# Altium PCB SmartSocket_v3.PcbDoc
Units mm, origin at the board's own origin, x right, y up, seen from the top; angles counter-clockwise.
Board outline 42.6 x 36.47 mm, 2 copper layers (Top Layer, Bottom Layer); 56 components, 56 nets, 214 pads, 89 vias.
Unrouted connection lines stored in the file: 23.
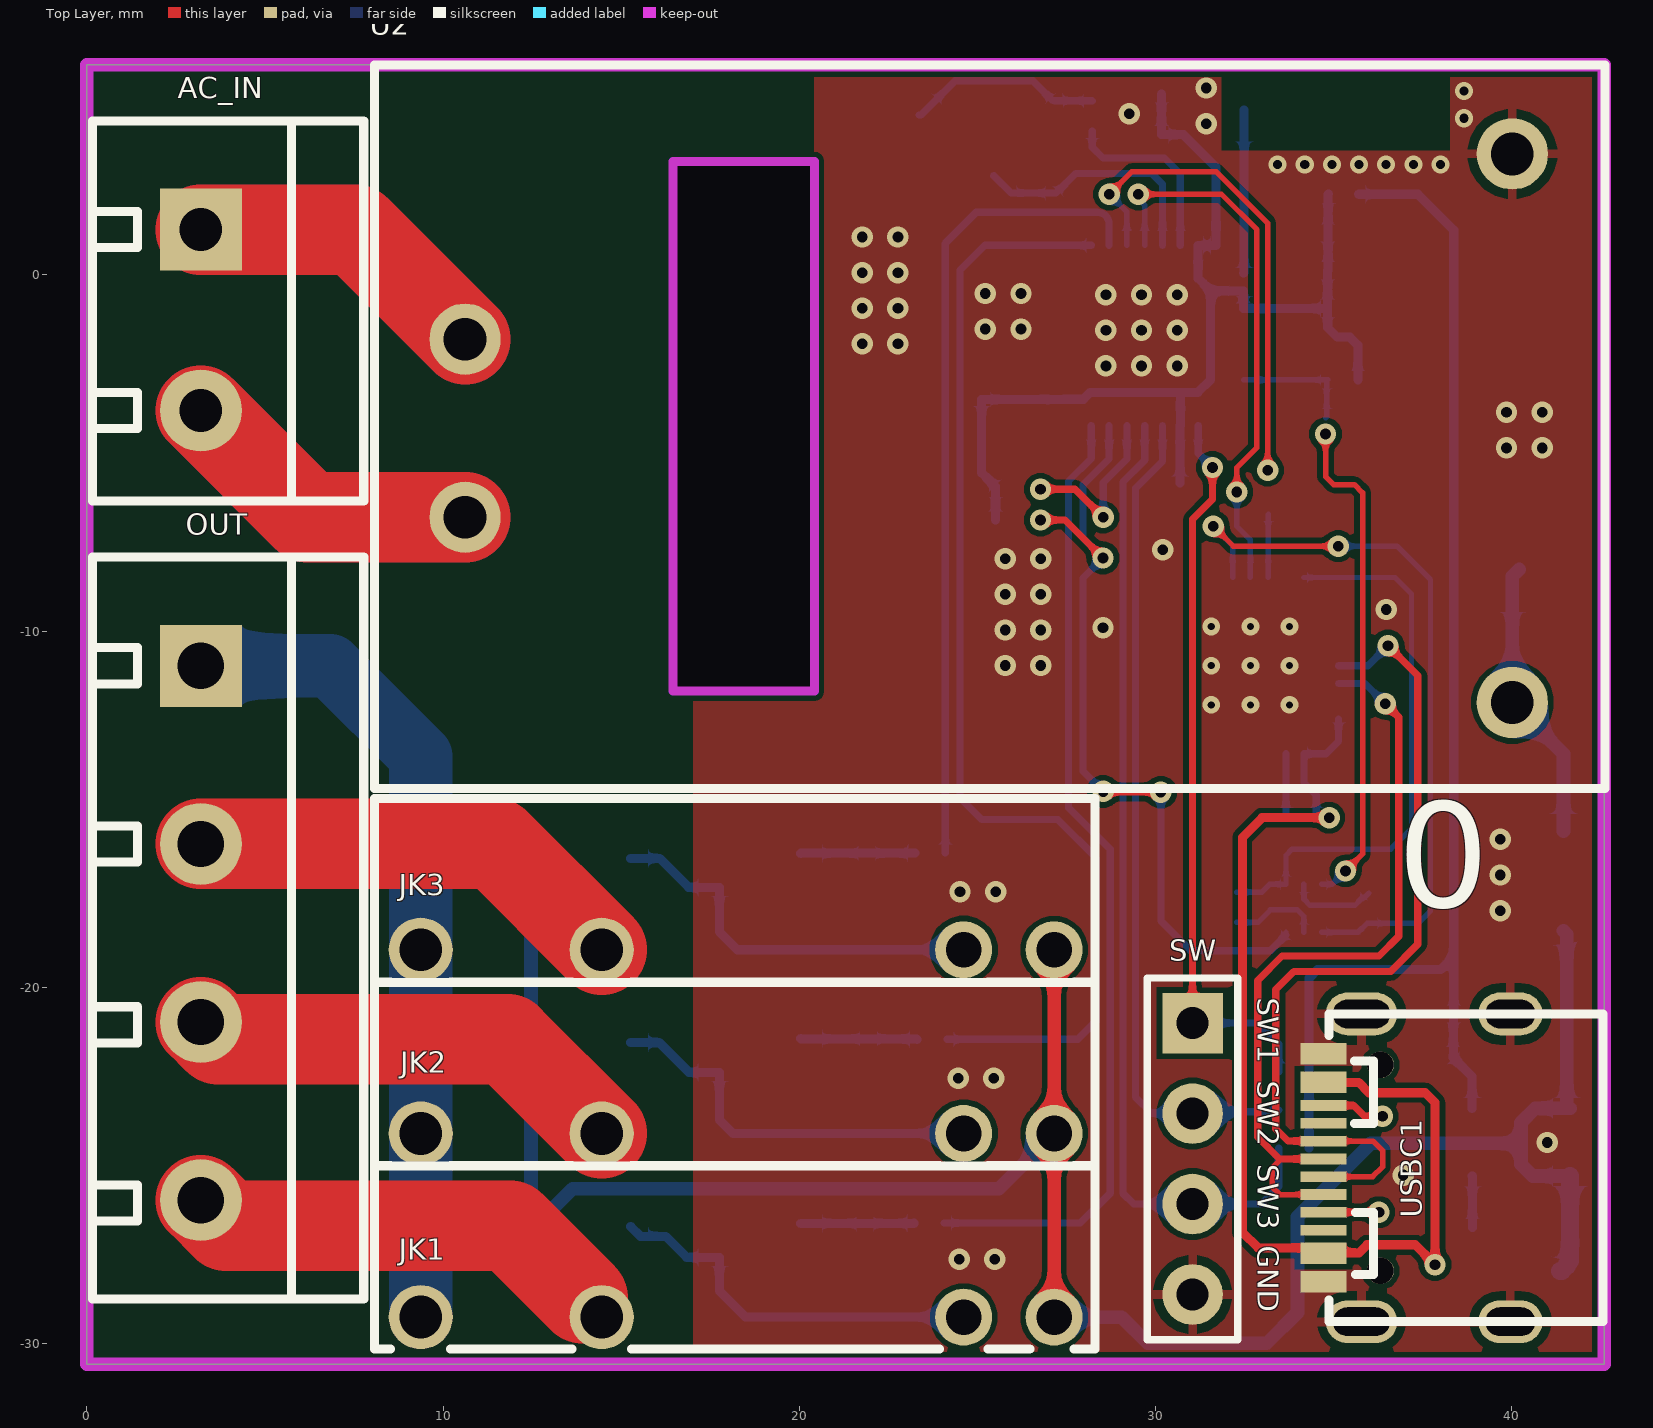
[diagram p0: Top Layer view]
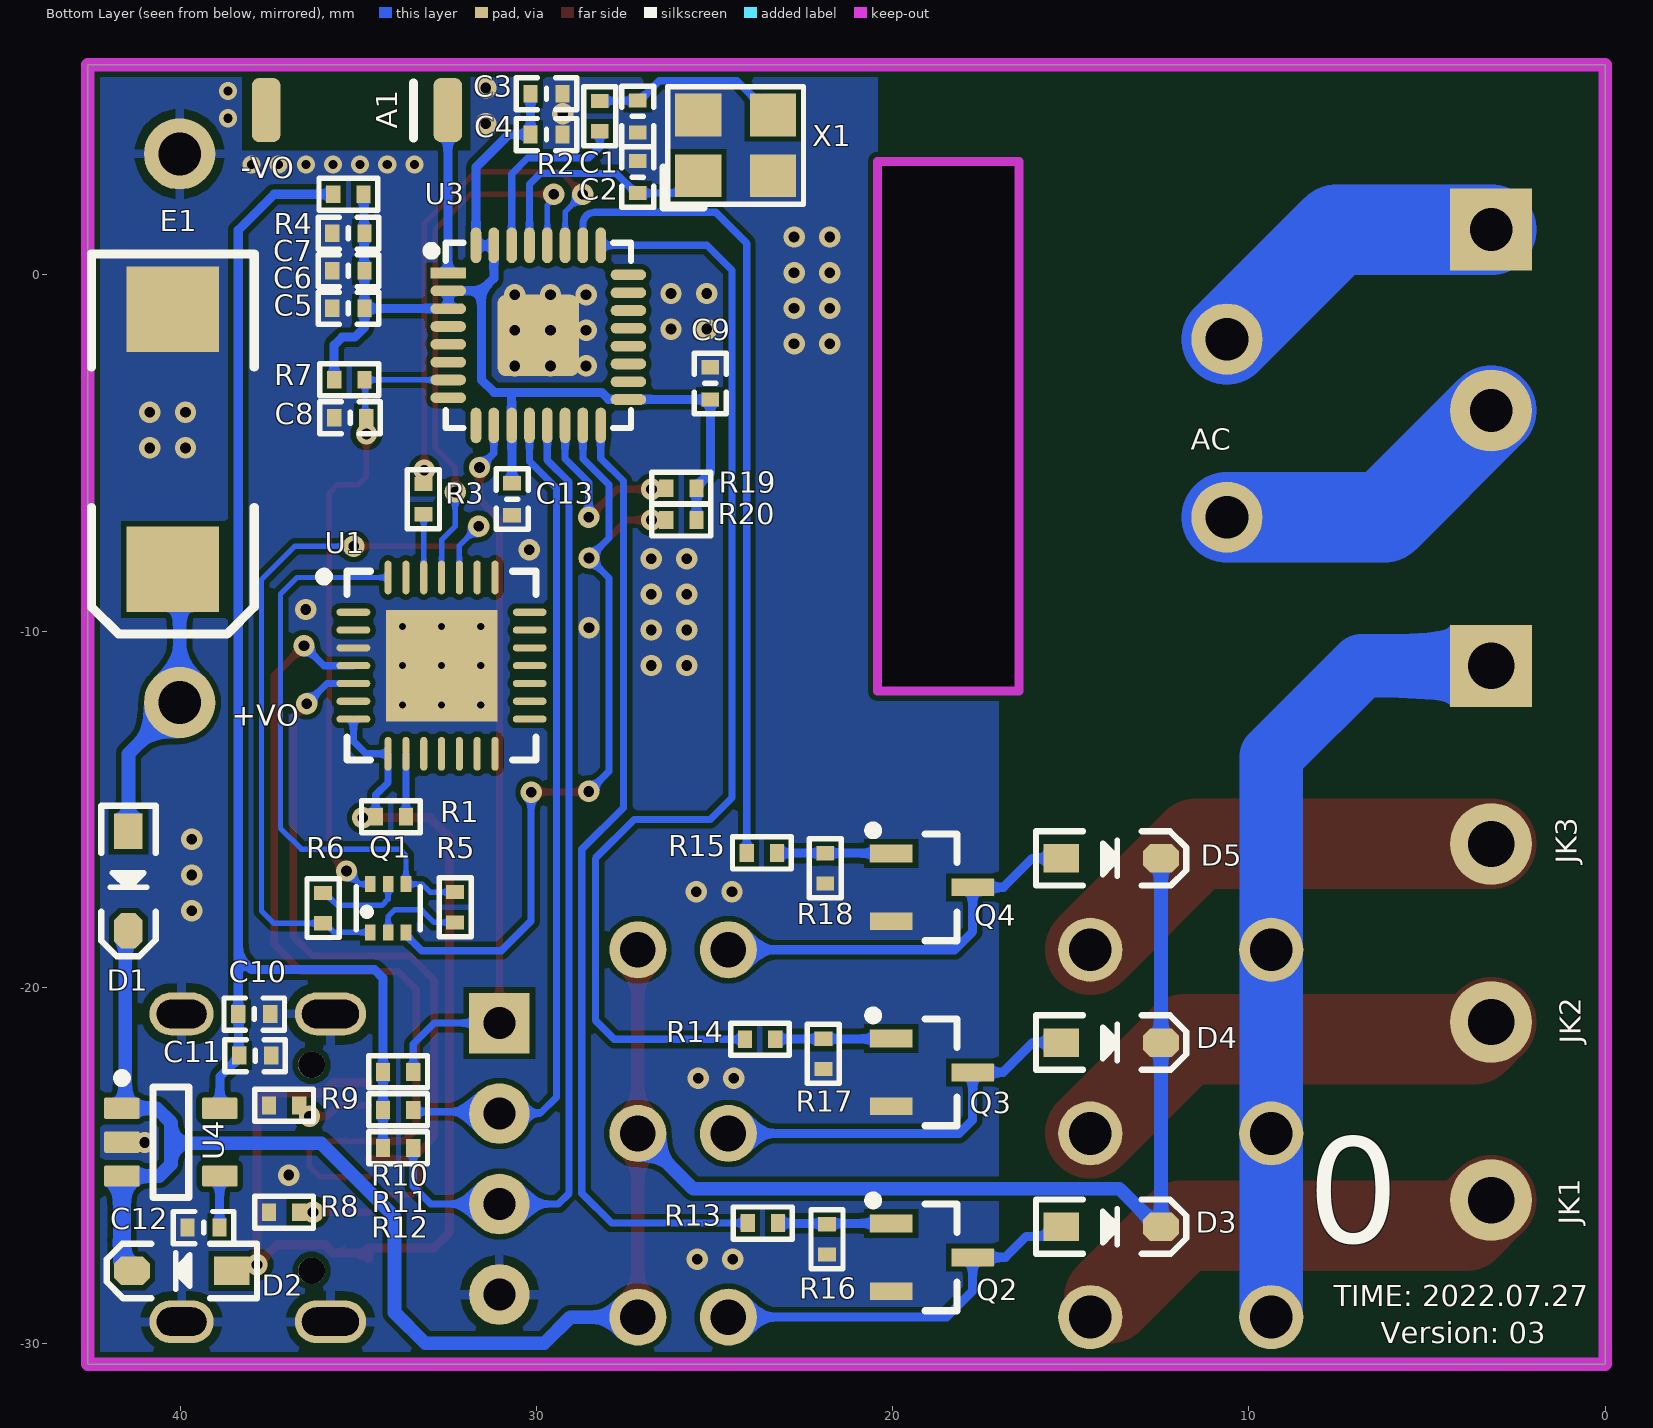
[diagram p1: Bottom Layer view, seen from below]

## Layer stack, top to bottom
Top Solder: solder mask 0.0102, Solder Resist, Dk 3.5
Top Layer: signal copper 0.0356
Dielectric 1: dielectric 0.32, FR-4, Dk 4.8
Bottom Layer: signal copper 0.0356
Bottom Solder: solder mask 0.0102, Solder Resist, Dk 3.5

## Board outline
0,-30.582 42.596,-30.582 42.596,5.893 0,5.893
cut-out: 20.422,3.175 16.459,3.175 16.459,-11.684 20.422,-11.684

## Design rules (kind name [scope] priority, off if disabled: settings)
Clearance [All] p1: gap=0.152 ignorepadtopadclearanceinfootprint=FALSE
ComponentClearance [All] p1: gap=0 collisioncheckmode=3 verticalgap=0 showdistances=FALSE
HoleSize [All] p1: absolutevalues=TRUE maxlimit=100 minlimit=0.2 maxpercent=80.000 minpercent=20.000
HoleToHoleClearance [All] p1: gap=0 allowstackedmicrovias=TRUE
MinimumSolderMaskSliver [All] p1: minsoldermaskwidth=0
PolygonConnect [All] p1: thpad.connectstyle=Relief thpad.reliefconductorwidth=0.254 thpad.reliefentries=4 thpad.polygonreliefangle="90 Angle" thpad.airgapwidth=0.254 smdpad.connectstyle=Direct smdpad.reliefconductorwidth=0.254 smdpad.reliefentries=4 smdpad.polygonreliefangle="90 Angle" smdpad.airgapwidth=0.254 via.connectstyle=Direct via.reliefconductorwidth=0.254 via.reliefentries=4 via.polygonreliefangle="90 Angle" via.airgapwidth=0.254
RoutingVias [All] p1: holewidth=0.3 width=0.6 viastyle="Through Hole" minholewidth=0.2 minwidth=0.4 maxholewidth=80 maxwidth=100
SilkToSilkClearance [All] p1: silktosilkclearance=0
SilkToSolderMaskClearance [IsPad] p1: minsilkscreentomaskgap=0 clearancetoexposedcopper=TRUE
SolderMaskExpansion [All] p1: expansion=0.102 istentingtop=FALSE
Width [All] p1: maxlimit=2.54 minlimit=0.152 preferedwidth=0.203
24 further rules are at their usual default settings.

## Components (designator, comment, footprint, x,y, rotation, side; value= is the part's Value field where it differs from the comment)
A1 "AN2051-245" AN2051-245 35.027,4.623 r0 bottom
AC_IN "HDR-1X2" KF301-5.0-2P 3.2,-3.81 r270 top
C1 "15pF" "C 0402_L" 27.156,4.445 r270 bottom
C2 "15pF" "C 0402_L" 27.156,2.743 r90 bottom
C3 "1uF" "C 0402_L" 29.718,5.08 r0 bottom
C4 "10nF" "C 0402_L" 29.718,3.937 r0 bottom
C5 "10uF" "C 0402_L" 35.281,-0.94 r180 bottom
C6 "1uF" "C 0402_L" 35.281,0.114 r180 bottom
C7 "0.1uF" "C 0402_L" 35.281,1.168 r180 bottom
C8 "1uF" "C 0402_L" 35.23,-4.013 r180 bottom
C9 "0.1uF" "C 0402_L" 25.121,-3.048 r270 bottom
C10 "0.1uF" "C 0402_L" 37.922,-20.752 r180 bottom
C11 "10uF" "C 0402_L" 37.897,-21.92 r180 bottom
C12 "10nF" "C 0402_L" 39.345,-26.746 r0 bottom
C13 "0.1uF" "C 0402_L" 30.683,-6.299 r90 bottom
D1 "B5819WS" SOD-323 41.453,-17.018 r270 bottom
D2 "B5819WS" SOD-323 39.954,-27.965 r0 bottom
D3 "B5819WS" SOD-323 13.868,-26.721 r180 bottom
D4 "B5819WS" SOD-323 13.868,-21.552 r180 bottom
D5 "B5819WS" SOD-323 13.868,-16.383 r180 bottom
E1 "220uF" "CD D(7343)" 40.208,-4.623 r90 bottom
JK1 "HF49FD/005-1H11" HF49-XX-1H11 9.373,-29.261 r180 top locked
JK2 "HF49FD/005-1H11" HF49-XX-1H11 9.373,-24.105 r180 top locked
JK3 "HF49FD/005-1H11" HF49-XX-1H11 9.373,-18.948 r180 top locked
OUT "HDR-1X4" KF301-5.0-4P 3.2,-18.477 r270 top
Q1 "BC847BVC-7" SOT563-6 34.163,-17.783 r180 bottom
Q2 "S8050" SOT23-3N 18.898,-27.584 r270 bottom
Q3 "S8050" SOT23-3N 18.898,-22.39 r270 bottom
Q4 "S8050" SOT23-3N 18.898,-17.196 r270 bottom
R1 "10K" "R 0402_L" 34.112,-15.215 r180 bottom
R2 "0R" "R 0402_L" 28.223,4.427 r90 bottom
R3 "200R" "R 0402_L" 33.172,-6.325 r90 bottom
R4 "0R" "R 0402_L" 35.255,2.261 r0 bottom
R5 "12K" "R 0402_L" 32.283,-17.78 r90 bottom
R6 "12K" "R 0402_L" 35.992,-17.755 r270 bottom
R7 "10K" "R 0402_L" 35.23,-2.946 r0 bottom
R8 "5.1K" "R 0402_L" 37.109,-26.314 r180 bottom
R9 "5.1K" "R 0402_L" 37.109,-23.317 r180 bottom
R10 "10K" "R 0402_L" 33.858,-22.377 r0 bottom
R11 "10K" "R 0402_L" 33.858,-23.444 r0 bottom
R12 "10K" "R 0402_L" 33.858,-24.511 r0 bottom
R13 "3k" "R 0402_L" 23.622,-26.619 r0 bottom
R14 "3k" "R 0402_L" 23.698,-21.463 r0 bottom
R15 "3k" "R 0402_L" 23.647,-16.231 r0 bottom
R16 "3k" "R 0402_L" 21.844,-27.102 r90 bottom
R17 "3k" "R 0402_L" 21.946,-21.895 r90 bottom
R18 "3k" "R 0402_L" 21.895,-16.688 r90 bottom
R19 "10K" "R 0402_L" 25.908,-5.994 r0 bottom
R20 "10K" "R 0402_L" 25.908,-6.883 r0 bottom
SW "HDR-1X4" HDR2.54-LI-4P 31.039,-24.816 r270 top
U1 "CP2102-GMR" SLAB-QFN-28-3125x3125TP_M 32.664,-10.973 r180 bottom
U2 "HLK-PM01" HLK-PM01 25.317,-4.307 r0 top locked
U3 "ESP32-C3" "QFN32 5X5_M" 29.947,-1.702 r270 bottom
U4 "LP2992IM5-3.3/NOPB" DBV0005A_N 40.262,-24.348 r180 bottom
USBC1 "USB-TypeC-16p" TYPE-C-USB-16P-1 37.338,-25.07 r90 top locked
X1 "40MHZ" "OSC 3225-4P" 24.409,3.632 r180 bottom

## Footprints (in the part's own frame and the unit in brackets; to place one, negate y for a bottom-side part, rotate by r counter-clockwise, add the part's x,y. Pads: shape width x height; smd on the part's side, far side on the other; paste and mask are expansions set on the pad)
AN2051-245 [mm] "天线  5.1mm(L)×2.0mm(W)×1.2mm(H)"
  rrect50% 0.8x1.8 smd: 1(-2.54,0) ""(2.563,0)
  silkscreen extent -1.57,-0.76 -1.57,0.79, body extent -2.57,-0.91 2.54,0.94, height 1.32
"C 0402_L" [mm] "无极性贴片电容"
  rect 0.4x0.5 smd: 1(-0.45,0) 2(0.45,0)
  silkscreen extent -0.85,-0.45 0.85,0.45, body extent -0.5,-0.26 0.5,0.26, height 0.53
"CD D(7343)" [mm] "长7.3mm，宽4.3mm，厚2.8mm"
  rect 2.4x2.6 smd: 1(-3.65,0) 2(3.65,0)
  silkscreen extent -5.46,-2.29 5.21,2.29, body extent -3.65,-2.15 3.65,2.15, height 2.8
DBV0005A_N [mm] "SOT23, 5-Leads, Body 3.05x1.75mm, Pitch 0.95mm, IPC Medium Density"
  rrect17% 1x0.6 smd: 1(-1.375,0.95) 2(-1.375,0) 3(-1.375,-0.95) 4(1.375,-0.95) 5(1.375,0.95)
  silkscreen extent -1.5,-1.55 0.5,1.92, body extent -1.42,-1.46 1.42,1.46, height 1.08
HDR2.54-LI-4P [mm] "排针，4脚"
  rect 1.7x1.7 hole 0.9: 1(-3.81,0)
  round 1.7 hole 0.9: 2(-1.27,0) 3(1.27,0) 4(3.81,0)
  silkscreen extent -5.08,-1.27 5.08,1.27, body extent -5.08,-1.27 5.08,1.27, height 8.5
HF49-XX-1H11 [mm] "一组常开，长：20mm，宽：5mm，高：12.5mm"
  round 1.6 hole 1: 1(-17.78,0) 2(-15.24,0)
  round 1.8 hole 1.2: 3(-5.08,0) 4(0,0)
  silkscreen extent -18.92,-4.24 1.3,0.9, body extent -18.81,-4.16 1.19,0.84, height 12.83
HLK-PM01 [mm] "AC220V转DC5V模块 34*20*15"
  round 2 hole 1.2: 1(-14.7,2.5) 2(-14.7,-2.5) 3(14.7,7.7) 4(14.7,-7.7)
  silkscreen extent -17.24,-10.12 17.3,10.2, body extent -16.98,-10.07 17.02,10.13, height 15.1
KF301-5.0-2P [mm] "可拼接端子/6A"
  rect 2.3x2.3 hole 1.2: 1(-5.08,0)
  round 2.3 hole 1.2: 2(0,0)
  silkscreen extent -8.13,-3.05 2.54,4.57, body extent -7.95,-3 2.55,4.6, height 10.05
KF301-5.0-4P [mm] "可拼接端子/6A"
  rect 2.3x2.3 hole 1.3: 1(-7.5,0)
  round 2.3 hole 1.3: 2(-2.5,0) 3(2.5,0) 4(7.5,0)
  silkscreen extent -10.55,-3.05 10.28,4.57, body extent -10.37,-3 10.13,4.6, height 10.05
"OSC 3225-4P" [mm] "3.2*2.5*0.7mm(长宽高)"
  rect 1.3x1.2 smd: 1(-1.05,-0.85) 2(1.05,-0.85) 3(1.05,0.85) 4(-1.05,0.85)
  silkscreen extent -2.03,-1.75 1.91,1.65, body extent -1.6,-1.25 1.6,1.25, height 0.7
"QFN32 5X5_M" [mm] "32脚，长x宽x高：5x5x0.95mm，脚距：0.5mm"
  rect 0.3x1 smd: 1(-1.751,-2.528)
  oval 0.3x1 smd: 2(-1.25,-2.528) 3(-0.75,-2.528) 4(-0.25,-2.528) 5(0.25,-2.528) 6(0.75,-2.528) 7(1.25,-2.528) 8(1.75,-2.528) 17(1.8,2.528) 18(1.3,2.528) 19(0.8,2.528) 20(0.3,2.528) 21(-0.2,2.528) 22(-0.7,2.528) 23(-1.2,2.528) 24(-1.7,2.528)
  oval 1x0.3 smd: 9(2.528,-1.75) 10(2.528,-1.25) 11(2.528,-0.75) 12(2.528,-0.25) 13(2.528,0.25) 14(2.528,0.75) 15(2.528,1.25) 16(2.528,1.75) 25(-2.528,1.75) 26(-2.528,1.25) 27(-2.528,0.75) 28(-2.528,0.25) 29(-2.528,-0.25) 30(-2.528,-0.75) 31(-2.528,-1.25) 32(-2.528,-1.75)
  rrect20% 2.286x2.286 smd: 33(0,0)
  silkscreen extent -2.6,-3.13 2.6,2.6, body extent -2.5,-2.5 2.5,2.5, height 0.93
"R 0402_L" [mm] "1/16W贴片电阻"
  rect 0.4x0.5 smd: 1(-0.4,0) 2(0.45,0)
  silkscreen extent -0.8,-0.45 0.85,0.45, body extent -0.5,-0.25 0.5,0.25, height 0.3
SLAB-QFN-28-3125x3125TP_M [mm] "QFN, 28-Leads, Body 5x5mm, Pitch 0.5mm, Thermal Pad 3.13x3.13mm, IPC Low Density"
  oval 0.95x0.2 smd: 1(-2.475,1.5) 2(-2.475,1) 3(-2.475,0.5) 4(-2.475,0) 5(-2.475,-0.5) 6(-2.475,-1) 7(-2.475,-1.5) 15(2.475,-1.5) 16(2.475,-1) 17(2.475,-0.5) 18(2.475,0) 19(2.475,0.5) 20(2.475,1) 21(2.475,1.5)
  oval 0.2x0.95 smd: 8(-1.5,-2.475) 9(-1,-2.475) 10(-0.5,-2.475) 11(0,-2.475) 12(0.5,-2.475) 13(1,-2.475) 14(1.5,-2.475) 22(1.5,2.475) 23(1,2.475) 24(0.5,2.475) 25(0,2.475) 26(-0.5,2.475) 27(-1,2.475) 28(-1.5,2.475)
  rect 3.13x3.13 smd: 29(0,0)
  silkscreen extent -3.42,-2.65 2.65,2.65, body extent -2.5,-2.5 2.5,2.5, height 1
SOD-323 [mm] "1.8x1.3X0.9mm（长宽高，不包括引脚）"
  rect 1x0.8 smd: 1(-1.4,0)
  oct 1x0.8 smd: 2(1.4,0)
  silkscreen extent -2.11,-0.76 2.11,0.76, body extent -1.34,-0.63 1.31,0.67, height 1
SOT23-3N [mm] "3x1.3x1mm(长宽高)"
  rect 0.5x1.2 smd: 1(-0.95,-1.143) 2(0.95,-1.143) 3(0,1.143)
  silkscreen extent -1.72,-1.78 1.5,0.7, body extent -1.5,-1.2 1.5,1.2, height 1.05
SOT563-6 [mm]
  rect 0.3x0.45 smd: 1(-0.5,-0.675) 2(0,-0.675) 3(0.5,-0.675) 4(0.5,0.675) 5(0,0.675) 6(-0.5,0.675)
  silkscreen extent -0.9,-0.6 0.9,0.6, body extent -0.8,-0.8 0.8,0.83, height 0.58
TYPE-C-USB-16P-1 [mm]
  oval 1.2x1.8 hole 0.8 slot 1.4 at 90 deg: 0(-4.32,-2.624) 0(4.32,-2.624)
  oval 1.2x2 hole 0.8 slot 1.6 at 90 deg: 0(-4.32,1.556) 0(4.32,1.556)
  rect 0.3x1.3 smd: A1(-3.35,2.623) A4(-2.55,2.623) A5(-1.25,2.623) A6(-0.25,2.623) A7(0.25,2.623) A8(-1.75,2.624) A9(2.55,2.623) A12(3.35,2.623) B1(3.05,2.623) B4(2.25,2.623) B5(1.75,2.623) B6(0.75,2.623) B7(-0.75,2.623) B8(1.25,2.624) B9(-2.25,2.623) B12(-3.05,2.623)
  round 0.75 hole 0.75 unplated: ""(-2.89,1.026) ""(2.89,1.026)
  silkscreen extent -4.32,-5.23 4.32,2.47, body extent -4.45,-5.2 4.5,2.55, height 3.26

## Part data
A1: library part ANT-Rainsun-AP2051, "天线AN2051-245"
AC_IN: library part "Header 02 5.0", "2P接插件", BOM名称=2P接插件, 学习资源=www.ooocke.com, 版权归属=源创客
C1 C2 C3 C4 C5 C6 C7 C8 C9 C10 C11 C12 C13: library part C, "无极性贴片电容", BOM名称=无极性贴片电容, 学习资源=www.ooocke.com, 版权归属=源创客
D1 D2 D3 D4 D5: library part 1N5819, "肖特基二极管", BOM名称=肖特基二极管, 学习资源=www.ooocke.com, 属性=40V/2A, 版权归属=源创客
E1: library part C-CD, "贴片钽电容", BOM名称=贴片钽电容, 学习资源=www.ooocke.com, 版权归属=源创客
JK1 JK2 JK3: "5V一组常开"
OUT: library part "Header 04 5.0", "4P接插件", BOM名称=4P接插件, 学习资源=www.ooocke.com, 版权归属=源创客
Q2 Q3 Q4: library part 8050-SMD, "高频放大-NPN型", BOM名称=高频放大-NPN型, 学习资源=www.ooocke.com, 属性="40V 1.5A 1W 100MHZ", 版权归属=源创客
R1 R2 R3 R4 R5 R6 R7 R8 R9 R10 R11 R12 R13 R14 R15 R16 R17 R18 R19 R20: library part R, "贴片电阻", BOM名称=贴片电阻, 学习资源=www.ooocke.com, 版权归属=源创客
SW: library part "Header 04 2.54", "4P接插件", BOM名称=4P接插件, 学习资源=www.ooocke.com, 版权归属=源创客
U1: library part CMP-2000-04924-1, "Single-Chip USB to URAT Bridge, 3.3 V, -40 to 85 degC, 28-Pin QFN, RoHS, Tape and Reel", Manufacturer="Silicon Labs", Operating Supply Voltage (Max)=3.6V, Operating Supply Voltage (Min)=3V, Operating Supply Voltage (Typ)=3.3V, Operating Temperature (Max)=85C, Operating Temperature (Min)=-40C, Operating Temperature Classification=Industrial, Package Description="28-Pin Quad-Flat No-Leads Package, Body 5 x 5 mm, Pitch 0.5 mm", Package Reference=QFN-28, Package Type=QFNEP, Supply Current=26mA, Data Rate=1000kbps, Datasheet URL=http://www.mouser.com/ds/2/368/CP2102-9-247052.pdf, Datasheet Version="Rev. 1.6, 12/2013", Interface Circuit Standard 1=RS-232, Manufacturer URL=http://www.silabs.com/, Mounting=SurfaceMount, Number of Channels=1, Package URL=http://www.silabs.com/Support%20Documents/TechnicalDocs/C8051T61x.pdf, Packaging=TapeandReel, Pin Count=28, Rad Hardened=No, Transmitter and Receiver FIFO Counter=No
U2: library part Component_1, "220V转5V模块"
U3: "Bluetooth, WiFi 802.11b/g/n, Bluetooth v5.0 Transceiver Module 2.402GHz ~ 2.48GHz Antenna Not Included Surface Mount", Package="VFQFN-32 Espressif Systems", Availability="In Stock", Check_prices=https://www.snapeda.com/parts/ESP32-C3FH4/Espressif%20Systems/view-part/5881917/?ref=eda, MF="Espressif Systems", MP=ESP32-C3FH4, Price=None, Purchase-URL=https://pricing.snapeda.com/search/part/ESP32-C3FH4/?ref=eda, SnapEDA_Link=https://www.snapeda.com/parts/ESP32-C3FH4/Espressif%20Systems/view-part/5881917/?ref=snap
U4: library part CMP-0062-02175-3, "Micropower 250 mA Low-Noise Ultra Low-Dropout Regulator, 5-pin SOT-23, Pb-Free", Manufacturer="Texas Instruments", PackageTopMarking=LFEB*XTT, PowerWise=N, ComponentLink1Description="Datasheet URL", ComponentLink1URL=http://www.ti.com/general/docs/lit/getliterature.tsp?genericPartNumber=LP2992&fileType=pdf, CompType="LDO IC", PackageDescription="Molded SOT-23, .115 x .063 x .040 in Body, 5 Lead, .0375 in Pitch", PackageReference=DBV0005A, PinCount=5, RoHS=Y
X1: library part XTAL-4P, "4脚无源晶振", BOM名称=4脚无源晶振, 学习资源=www.ooocke.com, 版权归属=源创客

## Via types
v1: diameter 0.6, hole 0.3, Top Layer to Bottom Layer, tented both sides, 71 vias
v2: diameter 0.508, hole 0.254, Top Layer to Bottom Layer, tented both sides, 9 vias
v3: diameter 0.5, hole 0.2, Top Layer to Bottom Layer, tented both sides, 9 vias

## Nets (pads, with @x,y where several pads share a name; then routed paths per layer and width w, separated by ;. In a path a pad name is that pad's centre, name@x,y a point inside that pad or via, vN(x,y) a via of type N, cw(c..) or ccw(c..) an arc to the next point about the centre after c; other vN are vias at no path point)
3V3A: C3.2 C4.2 C5.2 C6.2 C7.2 C9.2 C13.2 R4.1 R7.2 R19.1 R20.1 U3.2 U3.3 U3.11 U3.17 U3.31 U3.32 | length 32
  Bottom Layer w0.254: R20.1 R19.1 25.508,-5.944 25.121,-5.557 C9.2 25.123,-3.5 27.416,-3.5 U3.17 27.427,-3.493 27.975,-3.493 28.167,-3.302 30.697,-3.302 U3.11 30.69,-4.237 30.69,-5.842 C13.2 ; C3.2 C4.2 30.785,3.937 31.697,3.025 U3.32 U3.31 31.197,-0.102 31.547,-0.451 ; 30.734,-3.302 31.191,-3.302 31.547,-2.946 31.547,-0.451 ; R4.1 34.843,2.248 34.843,0.126 C6.2 C5.2 ; R7.2 35.68,-1.974 35.458,-1.753 35.103,-1.753 34.831,-1.48 C5.2 ; 31.547,-0.451 U3.2 U3.3 32.481,-0.946 34.825,-0.946 C5.2
+5V: D1.2 D2.2 D3.2 D4.2 D5.2 JK1.1 JK2.1 JK3.1 U4.1 U4.3 | length 65.8
  Top Layer w0.381: JK1.1 JK2.1 JK3.1
  Bottom Layer w0.381: D5.2 D4.2 D3.2 12.568,-26.721 13.635,-25.654 25.603,-25.654 JK2.1 ; JK1.1 29.045,-29.261 29.781,-29.997 33.122,-29.997 33.985,-29.134 33.985,-26.441 36.043,-24.384 40.259,-24.384 ; D1.2 41.545,-18.51 41.545,-23.306 U4.1 40.66,-23.398 40.259,-23.8 40.259,-24.384 ; U4.3 40.589,-25.298 40.259,-24.968 40.259,-24.384
  Bottom Layer w0.508: D2.2 41.403,-27.965 41.549,-27.819 41.549,-27.771 41.637,-27.682 U4.3
AC_L: JK1.4 JK2.4 JK3.4 OUT.1 | length 23
  Bottom Layer w1.778: OUT.1 6.836,-10.977 9.373,-13.513 JK3.4 JK2.4 JK1.4
CHIP_EN: C8.2 Q1.6 R7.1 U3.7 | length 17.5
  Top Layer w0.152: v1(34.773,-4.47) 34.773,-5.664 35.001,-5.893 35.585,-5.893 35.814,-6.121 35.814,-16.256 v1(35.331,-16.739)
  Bottom Layer w0.152: U3.7@32.475,-2.952 R7.1@34.824,-2.952 ; Q1.6 34.962,-17.108 v1(35.331,-16.739) ; C8.2 34.805,-3.988 34.805,-2.971 R7.1
CP_Rx: U1.25 U3.28 | length 15.4
  Top Layer w0.152: v1(29.515,2.261) 31.852,2.261 32.842,1.27 32.842,-4.851 32.283,-5.41 v1(32.283,-6.096)
  Bottom Layer w0.152: v1(29.515,2.261) 29.515,2.139 29.697,1.958 U3.28 ; v1(32.283,-6.096) 32.283,-7.061 32.664,-7.442 U1.25
CP_Tx: R3.2 U3.27 | length 13.9
  Top Layer w0.152: v1(28.702,2.261) 29.337,2.896 31.699,2.896 33.147,1.448 v1(33.147,-5.486)
  Bottom Layer w0.152: v1(28.702,2.261) 29.196,1.766 U3.27
DTR: Q1.4 R5.2 U1.28 | length 15.9
  Bottom Layer w0.152: R5.2 32.987,-17.33 33.209,-17.108 Q1.4 33.663,-16.299 33.837,-16.125 36.601,-16.125 37.186,-15.541 37.186,-8.966 36.717,-8.498 U1.28
GND: C1.2 C2.2 C3.1 C4.1 C5.1 C6.1 C7.1 C8.1 C9.1 C10.2 C11.2 C12.2 C13.1 E1.2 Q2.2 Q3.2 Q4.2 R8.1 R9.1 R16.1 R17.1 R18.1 SW.4 U1.3 U1.29 U2.3 U3.33 U4.2 USBC1.0 USBC1.A1 USBC1.A12 USBC1.B1 USBC1.B12 X1.2 X1.4
  other v1: 24.486,-27.635 25.486,-27.635 36.957,-25.273 40.996,-24.359 24.46,-22.555 25.46,-22.555 39.675,-17.85 24.511,-17.323 25.511,-17.323 39.675,-16.85 39.675,-15.85 25.781,-10.97 26.781,-10.97 25.781,-9.97 26.781,-9.97 28.524,-9.906 36.474,-9.398 25.781,-8.97 26.781,-8.97 25.781,-7.97 26.781,-7.97 30.201,-7.722 39.853,-4.861 40.853,-4.861 39.853,-3.861 40.853,-3.861 28.607,-2.559 29.607,-2.559 30.607,-2.559 21.768,-1.94 22.768,-1.94 28.607,-1.559 29.607,-1.559 30.607,-1.559 25.222,-1.524 26.222,-1.524 21.768,-0.94 22.768,-0.94 28.607,-0.559 29.607,-0.559 30.607,-0.559 25.222,-0.524 26.222,-0.524 21.768,0.06 22.768,0.06 21.768,1.06 22.768,1.06 31.42,4.242 29.261,4.521 31.42,5.242
  other v2: 33.426,3.099 34.188,3.099 34.95,3.099 35.712,3.099 36.474,3.099 37.236,3.099 37.998,3.099 38.659,4.394 38.659,5.156
  other v3: 31.564,-12.073 32.664,-12.073 33.764,-12.073 31.564,-10.973 32.664,-10.973 33.764,-10.973 31.564,-9.873 32.664,-9.873 33.764,-9.873
GPIO0: U3.4
GPIO1: U3.5
GPIO2: U3.6
GPIO3: U3.8
GPIO4: U3.9
GPIO5: R10.1 SW.1 U3.10 | length 20.6
  Top Layer w0.203: SW.1 31.039,-6.862 31.598,-6.303 v1(31.598,-5.41)
  Bottom Layer w0.203: SW.1 32.868,-21.006 33.458,-21.596 R10.1 ; U3.10 31.197,-5.01 v1(31.598,-5.41)
GPIO6: R11.1 SW.2 U3.12 | length 23.4
  Bottom Layer w0.203: U3.12 30.197,-5.236 29.439,-5.994 29.439,-23.089 29.884,-23.534 31.027,-23.534 SW.2 31.09,-23.495 33.407,-23.495 R11.1
GPIO7: R12.1 SW.3 U3.13 | length 27.6
  Bottom Layer w0.203: U3.13 29.697,-5.203 29.083,-5.817 29.083,-25.781 29.388,-26.086 SW.3 32.969,-26.086 33.458,-25.597 R12.1
GPIO8: R19.2 U3.14 | length 4.9
  Top Layer w0.203: v1(26.772,-6.02) 27.742,-6.02 v1(28.529,-6.807)
  Bottom Layer w0.203: v1(28.529,-6.807) 28.529,-5.832 29.196,-5.165 U3.14
GPIO9: Q1.3 R20.2 U3.15 | length 22.8
  Top Layer w0.203: v1(26.772,-6.883) 27.457,-6.883 v1(28.524,-7.95) ; v1(28.529,-14.503) 28.542,-14.516 30.137,-14.516 v1(30.15,-14.529)
  Bottom Layer w0.152: Q1.3@33.663,-18.533 Q1.3
  Bottom Layer w0.203: v1(28.529,-14.503) 27.965,-13.94 27.965,-8.509 v1(28.524,-7.95) 27.965,-7.391 27.965,-5.893 28.696,-5.162 U3.15 ; v1(30.15,-14.529) 30.15,-18.136 30.988,-18.974 33.222,-18.974 Q1.3@33.663,-18.533
GPIO10: R13.2 U3.16 | length 27.3
  Bottom Layer w0.203: R13.2 27.889,-26.619 28.727,-25.781 28.727,-16.129 27.559,-14.961 27.559,-5.791 28.196,-5.154 U3.16
GPIO18: R14.2 U3.25 | length 32.3
  Bottom Layer w0.203: R14.2 27.813,-21.463 28.346,-20.93 28.346,-16.383 27.254,-15.291 25.121,-15.291 24.511,-14.681 24.511,0.127 25.21,0.826 U3.25
GPIO19: R15.2 U3.26 | length 22.9
  Bottom Layer w0.203: R15.2 24.097,0.882 24.968,1.753 28.372,1.753 cw(c28.372,1.428) 28.696,1.428 U3.26
JK1: JK1.3 OUT.4 | length 11.9
  Top Layer w2.54: OUT.4 3.919,-26.695 11.887,-26.695 JK1.3@13.919,-28.727
JK2: JK2.3 OUT.3 | length 12.5
  Top Layer w2.54: OUT.3 3.687,-21.463 11.811,-21.463 JK2.3
JK3: JK3.3 OUT.2 | length 12.5
  Top Layer w2.54: OUT.2 11.481,-15.977 JK3.3
NetA1_1: A1.1 U3.1 | length 4.6
  Bottom Layer w0.254: U3.1 32.487,0.061 A1.1
NetAC_IN_1: AC_IN.1 U2.1 | length 17.4
  Top Layer w2.54: AC_IN.1 7.54,1.27 U2.1
  Bottom Layer w2.54: AC_IN.1 7.54,1.27 U2.1
NetAC_IN_2: AC_IN.2 U2.2 | length 17.3
  Top Layer w2.54: AC_IN.2 6.198,-6.807 U2.2
  Bottom Layer w2.54: AC_IN.2 6.198,-6.807 U2.2
NetC1_1: C1.1 R2.2 X1.3 | length 5.5
  Bottom Layer w0.203: X1.3 23.409,4.482 24.376,5.448 26.552,5.448 27.106,4.895 C1.1 27.165,4.886 28.213,4.886 R2.2
NetC2_1: C2.1 U3.29 X1.1 | length 7
  Bottom Layer w0.203: X1.1 25.948,2.293 C2.1 27.206,2.293 27.757,2.845 29.896,2.845 30.197,2.544 U3.29
NetC12_1: C12.1 U4.4 | length 1.5
  Bottom Layer w0.254: U4.4 38.895,-25.306 C12.1
NetD1_1: D1.1 E1.1 U2.4 | length 8
  Bottom Layer w0.381: E1.1 40.017,-8.464 U2.4 41.453,-13.443 D1.1
NetD3_1: D3.1 JK1.2 Q2.3 | length 10.9
  Bottom Layer w0.254: D3.1 15.541,-26.994 16.25,-26.994 16.84,-27.584 Q2.3 17.755,-28.524 18.491,-29.261 JK1.2
NetD4_1: D4.1 JK2.2 Q3.3 | length 11.2
  Bottom Layer w0.254: D4.1 16.066,-21.552 16.904,-22.39 Q3.3 17.755,-23.724 18.136,-24.105 JK2.2
NetD5_1: D5.1 JK3.2 Q4.3 | length 11.1
  Bottom Layer w0.254: D5.1 16.078,-16.383 16.891,-17.196 Q4.3 17.755,-18.44 18.263,-18.948 JK3.2
NetQ1_2: Q1.2 R5.1 | length 2.5
  Bottom Layer w0.152: R5.1 32.874,-18.18 33.223,-17.831 33.985,-17.831 34.163,-18.009 Q1.2
NetQ1_5: Q1.5 R6.1 | length 2.5
  Bottom Layer w0.152: Q1.5 34.163,-17.526 34.341,-17.704 35.593,-17.704 35.818,-17.478 35.868,-17.478 R6.1
NetQ2_1: Q2.1 R13.1 R16.2 | length 3.2
  Bottom Layer w0.254: Q2.1 20.048,-26.627 23.214,-26.627 R13.1
NetQ3_1: Q3.1 R14.1 R17.2 | length 3.3
  Bottom Layer w0.254: Q3.1 20.052,-21.452 23.287,-21.452 R14.1
NetQ4_1: Q4.1 R15.1 R18.2 | length 3.2
  Bottom Layer w0.254: Q4.1 20.048,-16.238 23.24,-16.238 R15.1
NetR1_2: R1.2 U1.9 | length 1.8
  Bottom Layer w0.152: R1.2 R1.2 ; U1.9@33.663,-13.449 U1.9
  Bottom Layer w0.203: R1.2 U1.9@33.663,-13.449
NetR2_1: R2.1 U3.30 | length 5.2
  Bottom Layer w0.203: R2.1 28.223,3.578 28.524,3.277 30.251,3.277 30.697,2.831 U3.30
NetR3_1: R3.1 U1.26 | length 1.8
  Bottom Layer w0.152: U1.26 33.164,-6.733 R3.1
NetR8_2: R8.2 USBC1.A5 | length 1.6
  Top Layer w0.203: USBC1.A5 34.718,-26.317 36.269,-26.317 v1(36.271,-26.314)
NetR9_2: R9.2 USBC1.B5 | length 1.8
  Top Layer w0.203: USBC1.B5 35.563,-23.32 35.865,-23.622 v1(36.373,-23.622)
RTS: Q1.1 R6.2 U1.24 | length 20.9
  Top Layer w0.152: v1(31.623,-7.061) 32.182,-7.62 v1(35.128,-7.62)
  Bottom Layer w0.152: v1(31.623,-7.061) 32.164,-7.603 U1.24 ; Q1.1 35.688,-18.458 R6.2@35.942,-18.205 ; v1(35.128,-7.62) 36.779,-7.62 37.719,-8.56 37.719,-17.856 37.371,-18.205 R6.2
SPICLK: U3.22
SPID: U3.23
SPIHD: U3.19
SPIQ: U3.24
SPIS0: U3.21
SPIWP: U3.20
USB-PWR-DM: U1.5 USBC1.A7 USBC1.B7 | length 21.6
  Top Layer w0.152: 33.524,-24.82 33.274,-25.07 33.274,-25.603 33.491,-25.82 USBC1.B7
  Top Layer w0.203: USBC1.A7 33.524,-24.82 33.481,-24.82 32.868,-24.206 32.868,-19.812 33.553,-19.126 36.271,-19.126 36.83,-18.567 36.83,-12.421 v1(36.449,-12.04)
  Bottom Layer w0.203: U1.5 35.882,-11.473 v1(36.449,-12.04)
USB-PWR-DP: U1.4 USBC1.A6 USBC1.B6 | length 24.3
  Top Layer w0.152: USBC1.A6 36.097,-25.32 36.373,-25.044 36.373,-24.587 36.105,-24.32 USBC1.B6
  Top Layer w0.203: USBC1.B6 33.718,-24.32 33.376,-23.978 33.376,-20.066 33.884,-19.558 36.601,-19.558 37.363,-18.796 37.363,-11.252 v1(36.525,-10.414)
  Bottom Layer w0.203: U1.4 35.966,-10.973 v1(36.525,-10.414)
VBUS: D2.1 R1.1 U1.7 U1.8 USBC1.A4 USBC1.A9 USBC1.B4 USBC1.B9 | length 31.9
  Top Layer w0.254: 34.715,-22.67 35.7,-22.67 35.992,-22.962 37.567,-22.962 37.846,-23.241 v1(37.846,-27.788) 37.287,-27.229 35.941,-27.229 35.712,-27.457 34.877,-27.457 USBC1.B9@34.865,-27.47 ; v1(34.874,-15.24) 32.995,-15.24 32.436,-15.799 32.436,-26.873 32.882,-27.32 USBC1.B9 ; USBC1.A4@34.929,-27.534 USBC1.B9@34.865,-27.47 ; USBC1.B9 USBC1.A4 USBC1.B9@34.865,-27.47 ; USBC1.B9 USBC1.B9@34.865,-27.47
  Bottom Layer w0.203: R1.1 34.512,-14.599 34.164,-14.251 U1.8 34.787,-13.448 35.139,-13.095 U1.7
VCC_3V3: C10.1 C11.1 R4.2 R10.2 R11.2 R12.2 U4.5 | length 37.1
  Bottom Layer w0.254: R12.2 R11.2 R10.2 34.308,-19.743 34.544,-19.507 37.998,-19.507 38.372,-19.133 ; R4.2 37.363,2.261 38.372,1.252 38.372,-19.133 ; U4.5 38.887,-22.511 38.347,-21.97 C11.1 38.359,-21.907 38.359,-20.764 C10.1 38.372,-19.133
VDD_SPI: U3.18
pads on no net: A1. U1.1 U1.2 U1.6 U1.10 U1.11 U1.12 U1.13 U1.14 U1.15 U1.16 U1.17 U1.18 U1.19 U1.20 U1.21 U1.22 U1.23 U1.27 USBC1. USBC1.A8 USBC1.B8

## Polygon pours and split planes (outlines as drawn)
GND on Bottom Layer "GND_L02_P000" (solid, remove dead copper, pour order 0): 38.279,5.893 38.279,3.481 31.852,3.481 31.852,5.893 20.422,5.893 20.422,-11.684 17.018,-11.684 17.018,-30.582 42.596,-30.582 42.621,5.893
GND on Top Layer "GND_L01_P001" (solid, remove dead copper, pour order 1): 38.278,5.893 38.278,3.481 31.852,3.481 31.852,5.893 20.422,5.893 20.422,-11.684 17.018,-11.684 17.018,-30.582 42.596,-30.582 42.621,5.893

## Keep-outs
Keep-Out Layer:
  lines w0.254: 16.459,-11.684 20.422,-11.684 20.422,3.175 16.459,3.175 16.459,-11.684
  lines w0.381: 0,-30.582 42.596,-30.582 42.596,5.893 0,5.893 0,-30.582

## Silkscreen, mask and mechanical layers (free items; w line width, h text height)
Top Overlay:
  text "0" at 36.779,-18.72 h5.08
  text "SW1" at 32.676,-20.295 h1.02 r270
  text "SW2" at 32.676,-22.631 h1.02 r270
  text "SW3" at 32.676,-24.968 h1.02 r270
  text "GND" at 32.676,-27.254 h1.02 r270
Bottom Overlay:
  text "JK3" at 0.595,-16.537 h1.02 r270
  text "JK2" at 0.494,-21.592 h1.02 r270
  text "JK1" at 0.519,-26.672 h1.02 r270
  text "0" at 8.357,-28.143 h5.08
  text "TIME: 2022.07.27" at 7.62,-29.148 h1.02
  text "Version: 03" at 6.299,-30.189 h1.02
Top Solder:
  region: 31.852,5.867 31.852,3.481 38.278,3.481 38.278,5.867
Bottom Solder:
  region: 31.852,5.867 31.852,3.481 38.279,3.481 38.279,5.867
  lines w1.016: 3.2,-10.977 6.836,-10.977 9.373,-13.513 9.373,-18.948 9.373,-29.261 ; 3.2,-3.81 6.198,-6.807 10.617,-6.807 ; 3.2,1.27 7.54,1.27 10.617,-1.807

## Text inside footprints (layer, text, board x,y; h text height)
U2: Bottom Overlay "+VO" at 38.557,-12.856 h1.02; Bottom Overlay "-VO" at 38.303,2.511 h1.02; Bottom Overlay "AC" at 11.633,-5.109 h1.02